# Altium PCB PCB1.PcbDoc (part 3 of 5) (continued)
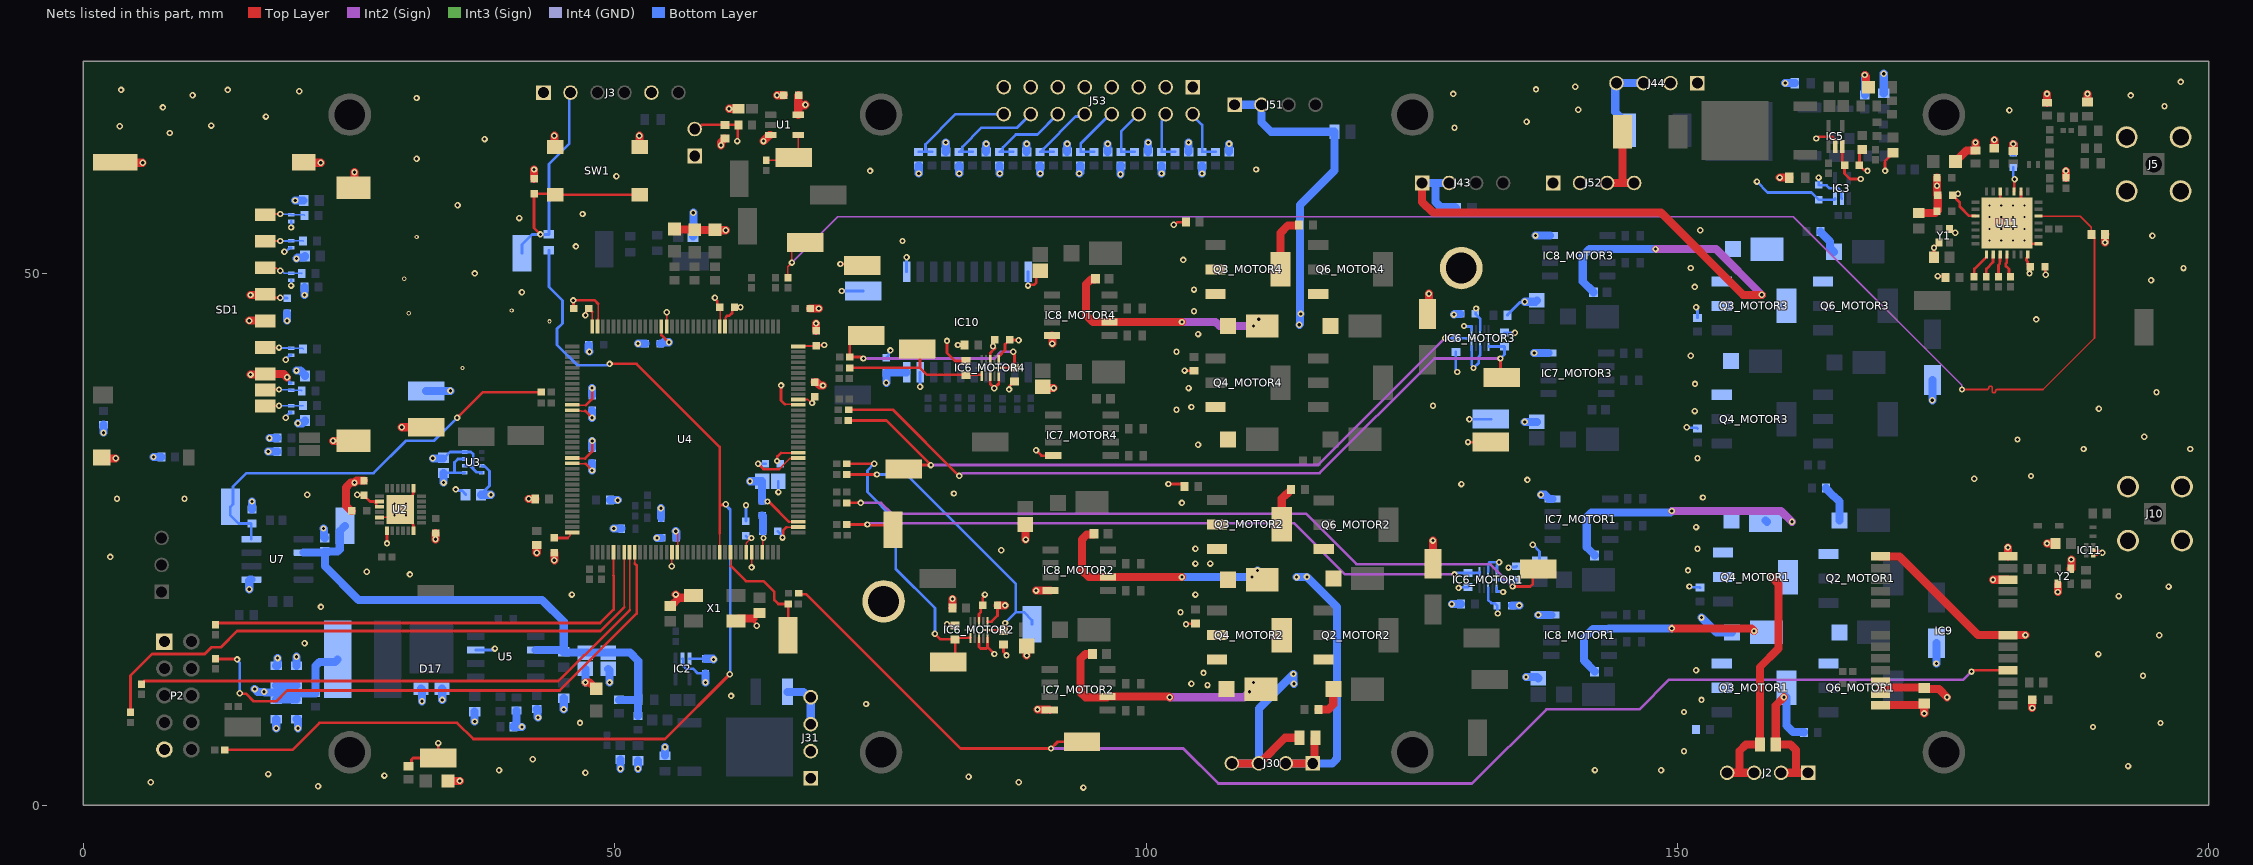
[diagram p7: the nets of this part, all layers, seen from the top]
## Nets (pads, with @x,y where several pads share a name; then routed paths per layer and width w, separated by ;. In a path a pad name is that pad's centre, name@x,y a point inside that pad or via, vN(x,y) a via of type N, cw(c..) or ccw(c..) an arc to the next point about the centre after c; other vN are vias at no path point) (continued)
  Bottom Layer w0.156: v1(18.542,55.626) 18.57,55.598 19.53,55.598 D1.2@19.558,55.57 20.742,55.57 R173.2@20.813,55.499
DATA3_SD: D11.2 R168.2 SD1.1 | length 3.6
  Top Layer w0.156: SD1.1@17.122,53.066 17.141,53.086 v1(18.542,53.086)
  Bottom Layer w0.156: v1(18.542,53.086) 18.55,53.094 19.55,53.094 D11.2@19.558,53.101 20.671,53.101 R168.2@20.686,53.086
DIO0: R44.2 U11.8 | length 2.6
  Top Layer w0.254: R44.2@177.927,49.718 177.946,49.737 177.946,50.449 179.079,51.582 U11.8@179.079,51.807
DIO1: R43.2 U11.9 | length 2.4
  Top Layer w0.254: R43.2@179.07,49.718 179.07,50.465 179.706,51.101 179.706,51.784 U11.9@179.729,51.807
DIO1_IHM: R38.2 U4.9 | length 52.2
  Top Layer w0.156: 51.892,22.736 U4.9@51.892,23.792
  Top Layer w0.254: R38.2@12.446,13.777 12.477,13.747 14.447,13.747 v1(14.478,13.716) ; v1(14.732,10.541) 14.798,10.475 15.34,10.475 16.036,9.779 18.161,9.779 19.177,10.795 44.831,10.795 52.07,18.034 52.07,22.558 51.892,22.736
  Bottom Layer w0.254: v1(14.478,13.716) 14.478,13.622 14.732,13.368 v1(14.732,10.541)
DIO2: R40.2 U11.10 | length 2.2
  Top Layer w0.254: R40.2@180.213,49.718 180.213,50.824 180.348,50.959 180.348,51.186 180.356,51.194 180.356,51.784 U11.10@180.379,51.807
DIO2_IHM: R47.2 U4.5 | length 43.4
  Top Layer w0.156: 49.892,21.609 U4.5@49.892,23.792
  Top Layer w0.254: R47.2@12.446,16.985 12.606,17.145 48.641,17.145 49.911,18.415 49.911,21.59 49.892,21.609
DIO3: R39.2 U11.11 | length 2.3
  Top Layer w0.254: U11.11@181.029,51.807 181.006,51.784 181.006,51.06 180.902,50.956 180.902,50.746 181.199,50.449 181.199,49.875 R39.2@181.356,49.718
DIO3_IHM: R37.2 U4.7 | length 57.7
  Top Layer w0.156: 50.892,18.613 U4.7@50.892,23.792
  Top Layer w0.254: R37.2@4.445,8.73 4.445,12.192 6.477,14.224 11.43,14.224 12.065,14.859 12.954,14.859 14.478,16.383 48.662,16.383 50.892,18.613
DIO4_IHM: R10.2 U4.8 | length 54.3
  Top Layer w0.156: U4.8@51.392,23.792 51.435,23.749 51.435,18.372
  Top Layer w0.254: R10.2@5.461,11.397 5.461,11.422 5.659,11.62 5.684,11.62 5.748,11.684 44.704,11.684 47.117,14.097 47.16,14.097 51.435,18.372
DIR_M1: IC6_MOTOR1.1 J11.1 R57.1 R108_MOTOR1.1 | length 64.4
  Top Layer w0.254: R57.1@71.849,26.416 v1(73.787,26.416) 73.85,26.353 75.755,26.353 J11.1@76.2,25.908
  Int2 (Sign) w0.254: v1(73.787,26.416) 73.853,26.482 74.048,26.482 74.109,26.543 113.919,26.543 118.745,21.717 v1(129.032,21.717)
  Bottom Layer w0.254: v1(129.032,21.717) 129.126,21.717 129.256,21.847 R108_MOTOR1.1@130.302,21.847 131.369,21.847 131.396,21.874 IC6_MOTOR1.1@131.396,21.959
DIR_M2: IC6_MOTOR2.1 J12.1 R62.1 R108_MOTOR2.1 | length 27.8
  Top Layer w0.254: R62.1@71.849,32.131 v1(74.422,32.131) ; v1(80.137,16.129) 80.66,15.606 R108_MOTOR2.1@82.042,15.606 ; J12.1@81.407,13.462 81.915,13.462 82.042,13.589 R108_MOTOR2.1@82.042,15.606 ; IC6_MOTOR2.1@83.49,15.748 82.184,15.748 R108_MOTOR2.1@82.042,15.606
  Bottom Layer w0.254: v1(74.422,32.131) 73.787,31.496 73.787,29.464 76.454,26.797 76.454,22.225 80.137,18.542 v1(80.137,16.129)
DIR_M3: IC6_MOTOR3.1 J16.1 R70.1 R108_MOTOR3.1 | length 73.1
  Top Layer w0.254: R70.1@72.009,37.211 76.2,37.211 v1(82.423,30.988) ; v1(133.35,42.037) 133.35,40.386 J16.1@133.477,40.259
  Int2 (Sign) w0.254: v1(82.423,30.988) 82.491,30.988 82.745,31.242 116.332,31.242 127.127,42.037 v1(133.35,42.037)
  Bottom Layer w0.254: IC6_MOTOR3.1@132.245,43.192 132.272,43.165 R108_MOTOR3.1@133.731,43.165 133.731,42.418 v1(133.35,42.037)
DIR_M4: IC6_MOTOR4.1 J33.1 R80.1 R108_MOTOR4.1 | length 14.7
  Top Layer w0.254: R80.1@72.103,41.148 78.74,41.148 ; J33.1@78.486,42.926 78.74,42.672 78.74,41.148 ; IC6_MOTOR4.1@84.544,40.398 84.544,40.471 84.517,40.498 R108_MOTOR4.1@83.058,40.498 79.39,40.498 78.74,41.148
EN_M1: IC6_MOTOR1.6 J17.1 R58.1 R111_MOTOR1.1 | length 71.8
  Top Layer w0.254: R58.1@71.849,28.448 v1(73.152,28.448) ; v1(134.493,20.574) 136.144,20.574 136.398,20.828 136.398,21.717 J17.1@136.906,22.225
  Int2 (Sign) w0.254: v1(73.152,28.448) 75.057,28.448 76.073,27.432 115.062,27.432 119.809,22.685 132.382,22.685 v1(134.493,20.574)
  Bottom Layer w0.254: IC6_MOTOR1.6@133.096,21.209 133.11,21.195 134.641,21.195 134.739,21.097 134.576,20.934 134.576,20.751 134.493,20.668 v1(134.493,20.574)
EN_M2: IC6_MOTOR2.6 J34.1 R63.1 R111_MOTOR2.1 | length 28.8
  Top Layer w0.254: R63.1@71.849,31.115 v1(74.676,31.115) ; IC6_MOTOR2.6@85.19,16.498 85.217,16.471 86.511,16.471 86.591,16.391 R111_MOTOR2.1@86.599,16.398 86.741,16.54 v1(86.741,17.145)
  Bottom Layer w0.254: v1(74.676,31.115) 77.47,31.115 87.757,20.828 87.757,18.161 ; v1(86.741,17.145) 87.757,18.161 ; J34.1@89.281,17.018 89.281,17.398 88.518,18.161 87.757,18.161
EN_M3: IC6_MOTOR3.6 J14.1 R72.1 R111_MOTOR3.1 | length 68
  Top Layer w0.254: R72.1@71.976,36.195 75.565,36.195 v1(79.756,32.004) 77.597,32.004 J14.1@77.216,31.623
  Int2 (Sign) w0.254: v1(79.756,32.004) 116.205,32.004 v1(128.143,43.942)
  Bottom Layer w0.254: v1(128.143,43.942) 128.151,43.95 130.537,43.95 IC6_MOTOR3.6@130.545,43.942
EN_M4: IC6_MOTOR4.6 J25.1 R81.1 R111_MOTOR4.1 | length 21.7
  Top Layer w0.254: v1(73.406,42.037) 73.312,42.037 73.185,42.164 R81.1@72.136,42.164 72.136,43.433 72.899,44.196 J25.1@73.66,44.196 ; IC6_MOTOR4.6@86.244,41.148 86.252,41.156 87.622,41.156 R111_MOTOR4.1@87.63,41.163 87.63,42.451 87.503,42.578 v1(87.503,42.672)
  Int2 (Sign) w0.254: v1(73.406,42.037) 85.725,42.037 86.36,42.672 v1(87.503,42.672)
EXT_INT_GPS: IC9.4 J67.1 R22.2 | length 128.8
  Top Layer w0.254: R22.2@67.31,19.939 67.406,19.843 68.041,19.843 82.55,5.334 v1(91.059,5.334) 91.694,5.969 J67.1@93.98,5.969 ; v1(177.673,12.573) 177.767,12.573 177.903,12.709 IC9.4@181.102,12.709
  Int2 (Sign) w0.254: v1(91.059,5.334) 103.505,5.334 106.807,2.032 130.683,2.032 137.668,9.017 146.431,9.017 149.225,11.811 176.911,11.811 v1(177.673,12.573)
FDC1_CONN: J53.16 R147.1 R151.2 | length 10.5
  Bottom Layer w0.254: R147.1@78.613,61.483 79.248,61.483 ; R151.2@79.883,61.483 79.248,61.483 ; J53.16@86.614,65.024 82.085,65.024 79.248,62.187 79.248,61.483
FDC2_CONN: J53.14 R148.1 R152.2 | length 9.6
  Bottom Layer w0.254: R152.2@83.693,61.483 R148.1@82.423,61.483 82.473,61.483 82.721,61.731 82.721,61.947 84.528,63.754 87.884,63.754 J53.14@89.154,65.024
FDC3_CONN: J53.12 R149.1 R153.2 | length 8.3
  Bottom Layer w0.254: R153.2@87.503,61.483 R149.1@86.233,61.483 86.283,61.483 86.531,61.731 86.531,61.893 87.757,63.119 89.789,63.119 J53.12@91.694,65.024
FDC4_CONN: J53.10 R150.1 R154.2 | length 6.9
  Bottom Layer w0.254: R154.2@91.313,61.483 R150.1@90.043,61.483 90.093,61.483 90.341,61.731 90.341,61.766 93.385,64.81 94.02,64.81 J53.10@94.234,65.024
FDC5_CONN: J53.08 R155.1 R159.2 | length 6.1
  Bottom Layer w0.254: R159.2@95.123,61.483 R155.1@93.853,61.483 93.853,62.239 96.638,65.024 J53.08@96.774,65.024
FDC6_CONN: J53.06 R156.1 R160.2 | length 5.5
  Bottom Layer w0.254: R160.2@98.933,61.483 R156.1@97.663,61.483 97.663,63.373 J53.06@99.314,65.024
FDC7_CONN: J53.04 R157.1 R161.2 | length 5
  Bottom Layer w0.254: J53.04@101.854,65.024 101.854,64.722 101.473,64.341 R157.1@101.473,61.483 R161.2@102.743,61.483
FDC8_CONN: J53.02 R158.1 R162.2 | length 5.2
  Bottom Layer w0.254: J53.02@104.394,65.024 104.394,64.897 105.283,64.008 R158.1@105.283,61.483 R162.2@106.553,61.483
GND: C1.1 C2.2 C4.2 C5.2 C6.2 C7.2 C8.1 C9.1 C10.1 C11.2 C12.2 C13.1 C14.1 C15.1 C16.2 C17.1 C18.1 C19.2 C20.2 C21.2 C22.2 C23.2 C24.2 C25.2 C26.2 C27.2 C28.2 C29.2 C30.1 C31.2 C35_MOTOR1.2 C35_MOTOR2.2 C35_MOTOR3.2 C35_MOTOR4.2 C38.2 C39.1 C40.1 C41.1 C42.2 C43.2 C44.2 C45.2 C46.2 C47.2 C48.2 C49.2 C50.1 C51.2 C52.2 C53.1 C54.2 C56_MOTOR1.2 C56_MOTOR2.2 C56_MOTOR3.2 C56_MOTOR4.2 C57_MOTOR1.2 C57_MOTOR2.2 C57_MOTOR3.2 C57_MOTOR4.2 C59_MOTOR1.2 C59_MOTOR2.2 C59_MOTOR3.2 C59_MOTOR4.2 C60.1 C62.2 C63.2 C64.2 C65.2 C66.2 C67.1 C68.2 C69.2 C77.1 C78.1 C79.1 C80.1 C81.2 C82.1 C83.1 C84.1 C85.1 D1.1 D2.2 D3.2 D4.2 D7.1 D8.1 D9.1 D10.1 D11.1 D15_MOTOR1.2 D15_MOTOR2.2 D15_MOTOR3.2 D15_MOTOR4.2 D16_MOTOR1.2 D16_MOTOR2.2 D16_MOTOR3.2 D16_MOTOR4.2 D17.1 D17.2 D18.2 D19.2 D20.2 D21.2 DS1.2 IC2.2 IC3.2 IC5.2 IC6_MOTOR1.3 IC6_MOTOR1.5 IC6_MOTOR1.7 IC6_MOTOR2.3 IC6_MOTOR2.5 IC6_MOTOR2.7 IC6_MOTOR3.3 IC6_MOTOR3.5 IC6_MOTOR3.7 IC6_MOTOR4.3 IC6_MOTOR4.5 IC6_MOTOR4.7 IC7_MOTOR1.4 IC7_MOTOR2.4 IC7_MOTOR3.4 IC7_MOTOR4.4 IC8_MOTOR1.4 IC8_MOTOR2.4 IC8_MOTOR3.4 IC8_MOTOR4.4 IC9.7 IC9.10 IC9.12 IC9.13 IC9.24 IC10.1 IC10.10 IC10.19 IC11.1 IC11.2 J1.01 J3.01 J5.2 J5.3 J5.4 J5.5 J10.2 J10.3 J10.4 J10.5 J15.1 J31.01 J31.02 J32.1 J37.1 J38.1 J44.01 J44.02 J52.01 J52.02 J53.01 J53.03 J53.05 J53.07 J53.09 J53.11 J53.13 J53.15 J55.1 J56.1 L6.1 P2.1 pad.MECA8@129.667,50.546 pad.MECA9 Q3_MOTOR1.3 Q3_MOTOR2.3 Q3_MOTOR3.3 Q3_MOTOR4.3 Q4_MOTOR1.3 Q4_MOTOR2.3 Q4_MOTOR3.3 Q4_MOTOR4.3 R4.1 R5.1 R7.1 R18.1 R27_MOTOR1.1 R27_MOTOR2.1 R27_MOTOR3.1 R27_MOTOR4.1 R29_MOTOR1.1 R29_MOTOR2.1 R29_MOTOR3.1 R29_MOTOR4.1 R89.1 R96.1 R97.1 R98.1 R99.1 R112_MOTOR1.1 R112_MOTOR2.1 R112_MOTOR3.1 R112_MOTOR4.1 SD1.3 SD1.6 SD1.14 SD1.15 SD1.16 SD1.17 SD1.18 SW1.3 SW1.4 U1.3 U2.1 U2.11 U2.18 U2.25 U3.1 U3.5 U3.7 U4.16 U4.31 U4.38 U4.51 U4.61 U4.83 U4.94 U4.107 U4.120 U4.130 U5.7 U7.5 U11.15 U11.23 U11.26 U11.29 X1.2 X1.4 Y1.2 Y1.4 Y2.A1 Y2.C1 | length 295.5
  Top Layer w0.156: U2.11@27.855,27.08 U2.25@29.08,27.08 ; U4.130@46.017,32.667 46.064,32.62 46.807,32.62 46.809,32.618 47.223,32.618 ; U4.120@46.017,37.667 46.064,37.62 47.272,37.62 ; U4.107@48.392,45.042 48.439,45.089 48.439,45.832 48.446,45.839 48.446,47.185 ; U4.94@54.892,45.042 54.893,45.043 v1(54.895,46.386) v1(54.895,46.386) ; v1(55.372,22.479) 55.372,23.772 U4.16@55.392,23.792 ; U4.83@60.392,45.042 60.439,45.089 60.439,45.901 60.489,45.952 ; v1(62.889,22.376) 62.89,22.377 62.89,23.765 U4.31@62.889,23.767 ; 65.48,31.623 66.314,32.457 66.477,32.62 67.22,32.62 U4.51@67.267,32.667 ; 66.04,37.719 66.472,37.719 66.477,37.714 67.22,37.714 U4.61@67.267,37.667 ; 66.167,26.162 67.262,26.162 U4.38@67.267,26.167
  Top Layer w0.254: SD1.3@17.061,48.006 17.315,47.752 v1(18.542,47.752) ; U2.25@29.08,27.08 v2(29.28,27.28) U2.25@29.83,27.83 ; U2.18@31.08,25.83 31.08,26.242 31.053,26.269 31.053,26.394 31.003,26.444 31.003,26.657 v2(30.38,27.28) U2.25@29.83,27.83 ; U2.1@31.08,29.83 31.08,29.417 31.053,29.39 31.053,29.265 31.003,29.215 31.003,29.003 v2(30.38,28.38) U2.25@29.83,27.83 ; C24.2@46.163,46.736 46.132,46.767 46.132,47.467 v1(46.101,47.498) 46.123,47.52 48.111,47.52 48.446,47.185 ; 47.223,32.618 47.886,33.281 v1(47.886,34.275) ; 47.272,37.62 47.879,38.227 v1(47.879,39.243) ; 60.489,45.952 60.582,46.044 60.776,46.044 61.072,46.34 61.072,46.656 C26.2@61.279,46.863 v1(61.849,46.863) ; v1(63.373,16.891) 63.373,16.985 63.042,17.316 63.042,17.561 63.552,18.071 C50.1@63.627,18.071 ; v1(63.5,32.131) 64.008,31.623 65.48,31.623 ; v1(65.662,39.5) 65.662,38.097 66.04,37.719 ; v1(65.79,25.182) 65.856,25.248 65.856,25.851 66.167,26.162 ; v1(71.247,50.927) 73.152,50.927 J37.1@73.279,50.8 ; v1(82.296,43.307) R112_MOTOR4.1@82.916,43.307 ; IC6_MOTOR2.3@84.29,15.748 84.29,14.892 84.439,14.743 84.96,14.743 85.09,14.874 ; IC6_MOTOR2.5@85.09,15.748 85.09,14.874 ; IC6_MOTOR2.7@85.09,17.248 85.114,17.272 85.471,17.272 86.029,17.83 C57_MOTOR2.2@86.029,18.796 ; IC6_MOTOR4.3@85.344,40.398 85.344,39.624 85.725,39.243 v1(85.725,39.238) 86.144,39.657 IC6_MOTOR4.5@86.144,40.398 ; v1(85.738,14.225) 85.09,14.874 ; IC6_MOTOR4.7@86.144,41.898 86.144,42.219 86.741,42.816 86.741,43.369 C57_MOTOR4.2@87.187,43.815 87.222,43.78 87.976,43.78 v1(88.011,43.746) ; v1(88.9,48.895) 88.966,48.961 89.474,48.961 89.662,49.149 89.662,49.909 C59_MOTOR4.2@90.043,50.29 ; v1(89.662,33.401) 90.17,32.893 IC7_MOTOR4.4@91.268,32.893 ; v1(102.108,30.226) 103.369,30.226 103.617,29.978 R27_MOTOR2.1@103.617,29.972 ; v1(102.616,54.61) 102.71,54.61 102.964,54.864 R27_MOTOR4.1@103.744,54.864 ; v1(103.632,40.894) 103.64,40.886 104.513,40.886 R29_MOTOR4.1@104.521,40.879 ; v1(103.759,17.018) 103.808,17.067 104.6,17.067 R29_MOTOR2.1@104.648,17.115 ; v1@130.302,34.069 v1(130.302,34.163) J38.1@132.461,34.163 ; v1(163.068,62.738) 163.162,62.738 163.332,62.908 164.546,62.908 164.788,62.666 164.788,62.054 IC5.2@164.861,61.981 ; C9.1@167.386,61.849 C9.1@167.386,61.707 167.135,61.456 C12.2@167.135,60.198 167.577,59.756 167.828,59.756 v1(167.894,59.69) ; v1(169.545,59.69) 169.545,60.616 169.909,60.98 169.909,61.055 170.232,61.378 R99.1@170.307,61.378 ; C40.1@174.154,51.562 v1(174.154,52.458) 174.204,52.458 174.625,52.879 Y1.2@174.625,52.929 ; Y1.4@175.625,54.229 175.625,54.179 175.823,53.981 175.949,53.981 176.062,53.867 v1(176.156,53.867) ; D21.2@176.115,60.511 D21.2@176.183,60.579 ; U11.26@180.379,57.757 180.379,56.532 v2(180.479,56.432) ; U11.23@182.329,57.757 182.329,56.782 v2(182.679,56.432) ; v2(182.679,53.132) 182.979,52.832 U11.15@184.004,52.832 ; C42.2@184.596,50.673 184.627,50.642 184.627,49.942 v1(184.658,49.911) ; IC11.1@189.144,23.495 189.202,23.553 189.448,23.553 189.578,23.683 189.926,23.683 v1(189.992,23.749) 189.898,23.749 189.71,23.937 IC11.2@189.202,23.937
  Top Layer w0.762: SD1.18@1.752,32.721 1.834,32.639 v1(3.048,32.639) ; SD1.17@3.012,60.496 3.056,60.452 v1(5.588,60.452) ; v1(15.748,40.513) 17.068,40.513 SD1.6@17.122,40.566 18.87,40.566 v1(19.177,40.259) ; v1(15.748,48.006) SD1.3@17.061,48.006 ; SD1.16@20.747,60.496 20.791,60.452 v1(22.352,60.452) ; v1(23.507,34.286) 25.421,34.286 SD1.14@25.427,34.291 ; C6.2@25.27,27.686 25.211,27.686 24.719,28.178 24.719,29.907 25.165,30.353 v1(25.527,30.353) 25.719,30.545 C7.2@26.416,30.545 ; SD1.15@25.427,58.091 25.527,58.192 v1(25.527,59.563) ; v1(29.972,35.56) J55.1@32.258,35.56 ; v1(33.147,25.019) C5.2@33.147,25.614 ; D19.2@34.324,2.286 v1(35.433,2.286) ; C31.2@42.418,58.931 v1(42.418,59.817) ; v1(44.323,23.049) C21.2@44.323,23.746 ; v1(44.323,62.992) 44.323,62.029 SW1.4@44.412,61.94 ; v1(47.244,11.557) 47.659,11.557 D18.2@48.26,10.956 ; v1(52.324,62.992) 52.324,61.978 SW1.3@52.362,61.94 ; C14.1@55.245,18.759 55.32,18.759 56.084,19.523 ; D4.2@55.626,54.229 55.672,54.183 57.485,54.183 D3.2@57.531,54.136 D2.2@59.436,54.136 59.47,54.102 v1(60.452,54.102) ; v1(55.753,19.812) 56.042,19.523 56.084,19.523 ; X1.4@57.436,19.742 57.217,19.523 56.084,19.523 ; v1(60.77,65.532) C53.1@61.653,65.532 ; X1.2@61.436,17.342 61.655,17.561 63.042,17.561 ; v1(64.008,62.484) 64.015,62.484 64.589,63.058 U1.3@64.677,63.058 ; v1(65.278,66.802) C54.2@65.912,66.802 ; C18.1@68.391,46.736 v1(69.215,46.736) ; C28.2@68.834,39.816 68.995,39.816 69.314,39.497 v1(69.596,39.497) ; C27.2@68.961,44.642 v1(68.961,45.339) ; R112_MOTOR2.1@81.773,18.542 81.779,18.548 81.779,19.407 v1(81.788,19.416) ; C57_MOTOR2.2@86.029,18.796 v1(86.741,18.796) ; C59_MOTOR2.2@88.646,26.414 88.646,25.019 v1(88.678,24.987) ; v1(88.773,14.097) C56_MOTOR2.2@88.773,14.984 ; v1(89.662,20.193) IC8_MOTOR2.4@91.014,20.193 ; v1(89.789,9.017) 89.811,8.995 90.895,8.995 IC7_MOTOR2.4@90.951,8.939 ; C56_MOTOR4.2@90.297,39.368 90.422,39.243 v1(91.313,39.243) ; IC8_MOTOR4.4@91.141,44.196 91.186,44.151 v1(91.186,43.434) ; C35_MOTOR4.2@126.492,46.219 126.619,46.346 v1(126.619,48.133) ; C35_MOTOR2.2@127,22.724 v1(127,24.892) ; v1(159.639,59.055) R97.1@160.54,59.055 ; v1(167.64,68.707) 167.768,68.579 167.768,67.783 D20.2@167.987,67.564 ; IC9.24@169.102,9.409 173.025,9.409 173.178,9.562 C15.1@173.228,9.562 v1(173.228,8.636) ; IC9.13@169.102,23.409 170.901,23.409 178.301,16.009 IC9.7@181.102,16.009 182.746,16.009 v1(182.753,16.002) ; C41.1@172.72,55.716 174.269,55.716 C46.2@174.433,55.88 174.498,55.945 C44.2@174.498,57.404 174.433,57.469 v1(174.433,58.293) C47.2@174.433,59.055 ; D21.2@176.183,60.579 177.199,61.595 C43.2@178.054,61.595 v1(178.054,62.357) ; v1(179.705,21.209) IC9.10@181.102,21.209 ; C49.2@179.832,61.837 v1(179.832,62.611) ; IC9.12@181.102,23.409 v1(181.102,24.257) ; C48.2@181.61,61.56 v1(181.61,62.23) ; v1(183.388,9.144) 183.388,9.894 DS1.2@183.4,9.906 ; v1(184.785,24.638) C30.1@185.584,24.638 ; C38.2@184.785,66.097 v1(184.785,66.929) ; v1(185.801,20.066) Y2.A1@185.801,20.828 ; L6.1@186.563,59.026 v1(186.563,59.69) ; Y2.C1@187.001,22.228 187.052,22.228 187.071,22.247 v1(187.071,23.114) ; C39.1@188.595,66.167 v1(188.595,66.929)
  Int4 (GND) w0.762: v2(179.379,54.232) v2(180.479,54.232) ; v2(179.379,55.332) v2(180.479,55.332) ; v2(180.479,53.132) v2(180.479,54.232) ; v2(180.479,56.432) v2(180.479,55.332) ; v2(181.579,53.132) v2(181.579,54.232) ; v2(181.579,56.432) v2(181.579,55.332) ; v2(182.679,54.232) v2(181.579,54.232) ; v2(182.679,55.332) v2(181.579,55.332) ; v2(180.479,54.232) v2(180.479,55.332) ; v2(180.479,55.332) v2(181.579,55.332) ; v2(181.579,54.232) v2(181.579,55.332)
  Bottom Layer w0.254: v1(18.542,47.752) 18.573,47.721 19.146,47.721 C16.2@19.177,47.69 ; v1(18.923,52.07) 18.989,52.136 19.118,52.136 19.433,52.451 D11.1@19.558,52.451 ; v1(19.05,36.449) 19.116,36.515 19.116,36.625 19.433,36.942 D7.1@19.558,36.942 ; v1(19.05,41.91) 19.05,41.964 19.433,42.347 D9.1@19.558,42.347 ; v1(19.177,40.259) 19.177,40.165 19.385,39.957 19.385,39.743 19.433,39.695 D8.1@19.558,39.695 ; v1(19.558,48.895) D10.1@19.558,49.403 ; v1(19.558,54.356) D1.1@19.558,54.92 ; C13.1@33.856,32.639 33.906,32.639 34.5,33.233 U3.5@35.903,33.233 36.49,33.233 36.703,33.02 36.703,31.641 36.694,31.632 ; v1(35.052,29.712) 35.146,29.712 35.249,29.608 35.63,29.608 35.978,29.26 C8.1@35.978,29.21 ; U3.7@35.903,31.933 36.393,31.933 36.694,31.632 ; U5.7@36.926,14.605 38.514,14.605 38.641,14.732 v1(38.735,14.732) ; U3.1@37.503,31.283 37.455,31.331 36.995,31.331 36.694,31.632 ; IC2.2@56.388,13.777 56.461,13.704 56.461,13.092 56.726,12.827 57.404,12.827 57.816,12.415 58.513,12.415 C2.2@58.547,12.381 ; C19.2@62.357,26.735 v1(62.357,28.223) ; v1(63.5,32.131) C29.2@64.197,32.131 ; C65.2@65.343,25.781 65.724,25.4 65.724,25.248 v1(65.79,25.182) ; v1(65.405,29.464) 65.405,30.478 C64.2@65.407,30.48 ; v1(71.374,48.387) J32.1@73.406,48.387 ; C81.2@75.565,42.102 75.788,42.325 75.788,42.547 75.946,42.705 v1(75.946,42.799) ; IC10.1@77.47,50.191 v1(77.47,51.562) ; v1(78.74,39.37) IC10.19@78.74,40.741 ; v1(88.9,48.895) IC10.10@88.9,50.191 ; v1(129.921,45.085) 129.966,45.04 130.618,45.04 130.645,45.013 IC6_MOTOR3.7@130.645,44.692 ; v1(130.429,36.322) J56.1@132.461,36.322 ; IC6_MOTOR3.5@130.645,43.192 130.645,41.402 130.819,41.228 v1(130.819,41.134) 131.318,41.633 131.318,42.209 131.445,42.336 IC6_MOTOR3.3@131.445,43.192 ; IC6_MOTOR1.3@132.196,21.959 132.196,22.711 132.345,22.86 v1(133.223,22.86) 133.223,22.766 133.023,22.566 133.023,21.986 IC6_MOTOR1.5@132.996,21.959 ; IC6_MOTOR1.7@132.996,20.459 132.996,20.138 133.023,20.111 133.559,20.111 v1(133.604,20.066) ; R112_MOTOR3.1@134.015,46.101 134.015,46.151 135.169,47.305 135.57,47.305 v1(135.636,47.371) ; v1(136.398,24.511) 137.033,23.876 C56_MOTOR1.2@137.033,22.735 ; v1(150.876,35.56) 150.932,35.504 151.836,35.504 R29_MOTOR3.1@151.892,35.448 ; v1(151.13,20.574) 151.186,20.518 152.09,20.518 R29_MOTOR1.1@152.146,20.462 ; v1(151.765,46.863) 151.765,46.769 151.892,46.642 R27_MOTOR3.1@151.892,45.862 ; v1(163.29,59.051) 163.306,59.035 163.306,58.374 C11.2@163.322,58.358 163.356,58.324 164.053,58.324 164.338,58.039 165.143,58.039 165.408,57.774 165.408,57.162 IC3.2@165.481,57.089
  Bottom Layer w0.762: v1(15.621,20.32) 15.621,21.144 15.702,21.225 U7.5@15.816,21.225 ; v1(18.161,7.239) C62.2@18.161,8.092 ; C52.2@18.161,13.117 18.269,13.117 18.288,13.136 v1(18.288,13.843) ; C51.2@20.066,8.092 20.174,8.092 20.193,8.073 v1(20.193,7.239) ; C4.2@20.066,13.117 v1(20.066,13.97) ; v1(22.606,26.035) 22.664,25.977 22.664,25.205 22.708,25.161 C60.1@22.733,25.161 ; D17.1@31.781,10.966 31.877,10.87 v1(31.877,9.779) ; J15.1@32.258,38.989 v1(34.544,38.989) ; v1(32.893,32.639) C13.1@33.856,32.639 ; D17.2@33.751,10.966 33.782,10.935 v1(33.782,9.906) ; v1(36.83,7.874) R7.1@36.83,8.8 ; C67.1@40.767,8.925 40.767,7.718 40.478,7.429 C69.2@40.478,7.366 v1(41.275,7.366) ; C68.2@42.672,9.052 42.735,9.052 42.741,9.046 42.741,8.313 v1(42.799,8.255) ; v1(45.212,9.017) R4.1@45.212,10.07 ; v1(47.244,11.557) C66.2@47.244,12.825 ; C17.1@47.56,43.307 47.56,42.737 v1(47.625,42.672) ; C22.2@47.879,33.593 47.879,34.268 v1(47.886,34.275) ; C23.2@47.879,38.546 v1(47.879,39.243) ; C63.2@49.403,12.825 49.53,12.698 v1(49.53,11.557) ; R18.1@49.545,28.702 v1(50.292,28.702) ; v1(50.546,3.429) C1.1@50.546,4.303 ; v1(52.197,3.429) R89.1@52.197,4.191 ; v1(52.197,43.434) C25.2@52.894,43.434 ; v1(53.975,25.146) C20.2@54.418,25.146 ; R5.1@54.737,4.675 v1(54.737,5.461) ; v1(58.547,11.557) C2.2@58.547,12.381 ; C80.1@81.153,61.483 v1(81.153,62.357) ; C79.1@84.963,61.483 v1(84.963,62.23) ; C78.1@88.773,61.483 v1(88.773,62.23) ; C77.1@92.583,61.483 v1(92.583,62.23) ; C85.1@96.393,61.483 v1(96.393,62.23) ; C84.1@100.203,61.483 v1(100.203,62.357) ; C83.1@104.013,61.483 v1(104.013,62.357) ; C82.1@107.823,61.483 v1(107.823,62.23) ; v1(128.778,18.923) R112_MOTOR1.1@129.652,18.923 ; v1(128.972,46.161) 129.039,46.228 C57_MOTOR3.2@129.602,46.228 ; C57_MOTOR1.2@134.431,18.784 135.116,18.784 v1(135.128,18.796) ; v1(135.636,36.068) 136.777,36.068 C56_MOTOR3.2@136.779,36.07 ; v1(135.636,47.371) 136.65,47.371 C59_MOTOR3.2@136.779,47.5 ; v1(135.763,12.065) 136.781,12.065 C59_MOTOR1.2@136.906,11.94 ; v1(136.525,42.545) IC7_MOTOR3.4@137.877,42.545 ; v1(136.652,53.594) IC8_MOTOR3.4@138.004,53.594 ; v1(136.906,17.907) IC8_MOTOR1.4@138.131,17.907 ; v1(137.16,29.21) 137.551,29.21 137.932,28.829 IC7_MOTOR1.4@138.258,28.829 ; v1(152.273,17.653) 153.67,16.256 D15_MOTOR1.2@155.149,16.256 ; v1(160.147,67.945) R96.1@161.06,67.945 ; C10.1@167.64,66.817 v1(167.64,68.707) ; R98.1@169.418,66.982 v1(169.418,68.834) ; v1(173.99,38.1) C35_MOTOR3.2@173.99,40.014 ; v1(174.371,13.335) C35_MOTOR1.2@174.371,15.249 ; C45.2@181.61,61.406 v1(181.61,62.23)
  other v1: 88.022,2.15 28.332,2.785 39.127,3.293 148.474,3.293 192.416,3.674 150.622,5.08 189.114,7.357 195.464,7.738 150.622,8.763 152.273,9.906 60.96,10.287 105.791,11.303 104.267,11.43 193.813,12.183 105.41,12.446 151.765,12.7 189.622,14.215 195.337,15.993 103.251,18.161 22.363,18.66 191.527,19.676 104.648,19.812 196.226,20.565 26.681,21.962 151.003,22.098 104.648,22.733 106.045,22.733 86.371,23.994 104.648,24.13 151.892,24.13 151.765,26.162 103.378,28.448 152.4,28.956 81.926,29.328 129.678,30.217 177.938,30.725 183.272,30.979 151.892,32.639 188.225,33.519 198.258,33.519 104.902,33.909 182.002,34.408 193.94,34.662 151.638,37.084 102.87,37.211 189.664,37.311 104.267,37.465 127.011,37.583 195.083,38.853 104.013,39.243 151.658,39.642 151.257,42.291 102.87,42.672 104.902,44.323 183.78,45.711 104.521,46.482 104.521,48.514 151.638,48.768 194.575,49.394 151.257,50.546 197.623,50.537 103.505,51.308 194.702,53.585 152.146,54.102 41.021,55.245 46.99,55.626 37.764,62.673 8.128,63.246 12.036,63.951 135.812,64.306 17.187,64.794 181.24,65.396 195.845,65.777 10.287,66.802 192.67,66.793 20.331,67.174 3.556,67.31 140.386,67.609 197.369,68.063
  other v2: 29.28,28.38 179.379,53.132 179.379,56.432
  other v3: 35.687,41.148 43.865,45.527 30.625,46.294 40.309,46.543 30.202,49.537 31.369,53.467
HOT_L_MOTOR1: C32_MOTOR1.1 C58_MOTOR1.1 D13_MOTOR1.2 D15_MOTOR1.1 IC8_MOTOR1.6 J2.01 J2.02 Q3_MOTOR1.2 Q3_MOTOR1.4 Q6_MOTOR1.3 R24_MOTOR1.1 | length 36.3
  Top Layer w0.762: v1(149.479,16.637) 156.972,16.637 v1(157.226,16.383) ; J2.02@159.766,3.048 161.036,3.048 ; v1(160.02,10.16) 159.258,9.398 C32_MOTOR1.1@159.258,5.715 160.655,5.715 161.163,5.207 161.163,3.175 161.036,3.048 ; J2.01@162.306,3.048 161.036,3.048
  Bottom Layer w0.762: C58_MOTOR1.1@142.225,12.573 142.181,12.617 142.181,12.642 141.224,13.599 141.224,15.748 141.732,16.256 142.057,16.581 143.499,16.581 IC8_MOTOR1.6@143.555,16.637 v1(149.479,16.637) ; Q3_MOTOR1.4@160.276,10.16 160.276,7.491 160.865,6.902 161.904,6.902 161.91,6.896 R24_MOTOR1.1@161.91,6.858
HOT_L_MOTOR2: C32_MOTOR2.1 C58_MOTOR2.1 D13_MOTOR2.2 D15_MOTOR2.1 IC8_MOTOR2.6 J30.01 J30.02 Q3_MOTOR2.2 Q3_MOTOR2.4 Q6_MOTOR2.3 R24_MOTOR2.1 | length 54.4
  Top Layer w0.762: C58_MOTOR2.1@95.108,25.527 95.108,25.502 95.064,25.458 94.426,25.458 93.98,25.012 93.98,22.098 94.615,21.463 IC8_MOTOR2.6@96.438,21.463 v1(103.378,21.463) ; Q3_MOTOR2.4@112.776,26.416 112.776,28.844 113.222,29.29 113.26,29.29 113.65,29.68 R24_MOTOR2.1@113.65,29.718 ; J30.02@113.157,3.937 J30.01@115.697,3.937 115.845,4.085 115.845,6.256 C32_MOTOR2.1@115.939,6.35
  Bottom Layer w0.762: v1(103.378,21.463) v1(109.982,21.463) 110.49,21.971 v1(110.49,22.098) ; J30.02@113.157,3.937 117.525,3.937 117.971,4.383 117.971,18.666 115.154,21.483 114.193,21.483 v1(114.173,21.463)
  other v1: 115.141,21.483
HOT_L_MOTOR3: C32_MOTOR3.1 C58_MOTOR3.1 D13_MOTOR3.2 D15_MOTOR3.1 IC8_MOTOR3.6 J43.01 J43.02 Q3_MOTOR3.2 Q3_MOTOR3.4 Q6_MOTOR3.3 R24_MOTOR3.1 | length 69.2
  Top Layer w0.762: J43.01@125.984,58.547 125.984,56.769 127,55.753 148.444,55.753 156.171,48.026 v1(157.94,48.026)
  Int2 (Sign) w0.762: v1(147.955,52.324) 153.642,52.324 v1(157.94,48.026)
  Bottom Layer w0.762: J43.01@125.984,58.547 127.254,58.547 ; J43.02@128.524,58.547 127.254,58.547 ; C32_MOTOR3.1@129.171,56.007 129.171,56.207 129.077,56.301 127.7,56.301 127.254,56.747 127.254,58.547 ; C58_MOTOR3.1@142.098,48.26 142.098,48.285 141.097,49.286 141.097,51.689 141.732,52.324 IC8_MOTOR3.6@143.428,52.324 v1(147.955,52.324) ; R24_MOTOR3.1@163.464,53.975 163.464,53.937 164.372,53.029 164.372,52.439 D13_MOTOR3.2@164.741,52.07
HOT_L_MOTOR4: C32_MOTOR4.1 C58_MOTOR4.1 D13_MOTOR4.2 D15_MOTOR4.1 IC8_MOTOR4.6 J51.01 J51.02 Q3_MOTOR4.2 Q3_MOTOR4.4 Q6_MOTOR4.3 R24_MOTOR4.1 | length 57.7
  Top Layer w0.762: C58_MOTOR4.1@95.235,49.53 95.235,49.505 95.191,49.461 94.807,49.461 94.361,49.015 94.361,46.101 94.996,45.466 IC8_MOTOR4.6@96.565,45.466 v1(103.378,45.466) ; Q3_MOTOR4.4@112.651,50.419 112.651,53.85 113.367,54.566 114.406,54.566 114.412,54.572 R24_MOTOR4.1@114.412,54.61
  Int2 (Sign) w0.762: v1(103.378,45.466) 106.553,45.466 106.934,45.085 v1(110.109,45.085) 110.617,45.593 v1(110.617,45.72)
  Int3 (Sign) w0.762: J51.01@108.331,65.913 J51.01@108.41,65.834
  Bottom Layer w0.762: J51.01@108.331,65.913 J51.02@110.871,65.913 110.871,64.262 111.76,63.373 C32_MOTOR4.1@117.753,63.373 117.753,59.714 114.506,56.467 114.506,46.276 v1(114.554,46.228) 114.506,46.18 114.506,45.291 v1(114.427,45.212)
HOT_R_MOTOR1: C32_MOTOR1.2 C55_MOTOR1.1 D14_MOTOR1.2 D16_MOTOR1.1 IC7_MOTOR1.6 J2.03 J2.04 Q2_MOTOR1.3 Q4_MOTOR1.2 Q4_MOTOR1.4 R25_MOTOR1.1 | length 51.2
  Top Layer w0.762: J2.04@154.686,3.048 155.829,3.048 ; J2.03@157.226,3.048 155.829,3.048 ; v1(158.877,21.463) 159.512,20.828 159.512,14.732 157.758,12.978 C32_MOTOR1.2@157.758,5.715 156.464,5.715 155.829,5.08 155.829,3.048
  Int2 (Sign) w0.762: v1(149.479,27.686) 159.766,27.686 v1(160.782,26.67)
  Bottom Layer w0.762: C55_MOTOR1.1@142.225,23.495 142.225,23.52 141.478,24.267 141.478,27.113 141.924,27.559 IC7_MOTOR1.6@143.682,27.559 149.352,27.559 v1(149.479,27.686) ; D16_MOTOR1.1@158.309,26.797 D16_MOTOR1.1@158.436,26.67 ; R25_MOTOR1.1@163.972,29.845 163.972,29.807 164.672,29.107 164.71,29.107 165.249,28.568 D14_MOTOR1.2@165.249,26.797
HOT_R_MOTOR2: C32_MOTOR2.2 C55_MOTOR2.1 D14_MOTOR2.2 D16_MOTOR2.1 IC7_MOTOR2.6 J30.03 J30.04 Q2_MOTOR2.3 Q4_MOTOR2.2 Q4_MOTOR2.4 R25_MOTOR2.1 | length 46.7
  Top Layer w0.762: C55_MOTOR2.1@94.981,14.224 94.299,14.224 93.853,13.778 93.853,10.606 94.299,10.16 96.326,10.16 IC7_MOTOR2.6@96.375,10.209 102.186,10.209 v1(102.235,10.16) ; J30.04@108.077,3.937 110.67,3.937 113.083,6.35 C32_MOTOR2.2@114.439,6.35 ; v1(109.728,10.668) 110.557,10.668 D16_MOTOR2.1@110.811,10.922 ; R25_MOTOR2.1@116.22,9.017 117.178,9.017 117.624,9.463 D14_MOTOR2.2@117.624,10.922
  Int2 (Sign) w0.762: v1(102.235,10.16) 109.22,10.16 110.109,11.049 v1(110.109,11.557)
  Bottom Layer w0.762: J30.04@108.077,3.937 J30.03@110.617,3.937 110.617,9.085 v1(113.871,12.339) 113.871,11.478 v1(113.919,11.43)